# KiCad board klor1_3 (1).kicad_pcb
title: Klor Split Keyboard; date: 2022-07-08; rev: v1.3.0; note: Author: GEIST
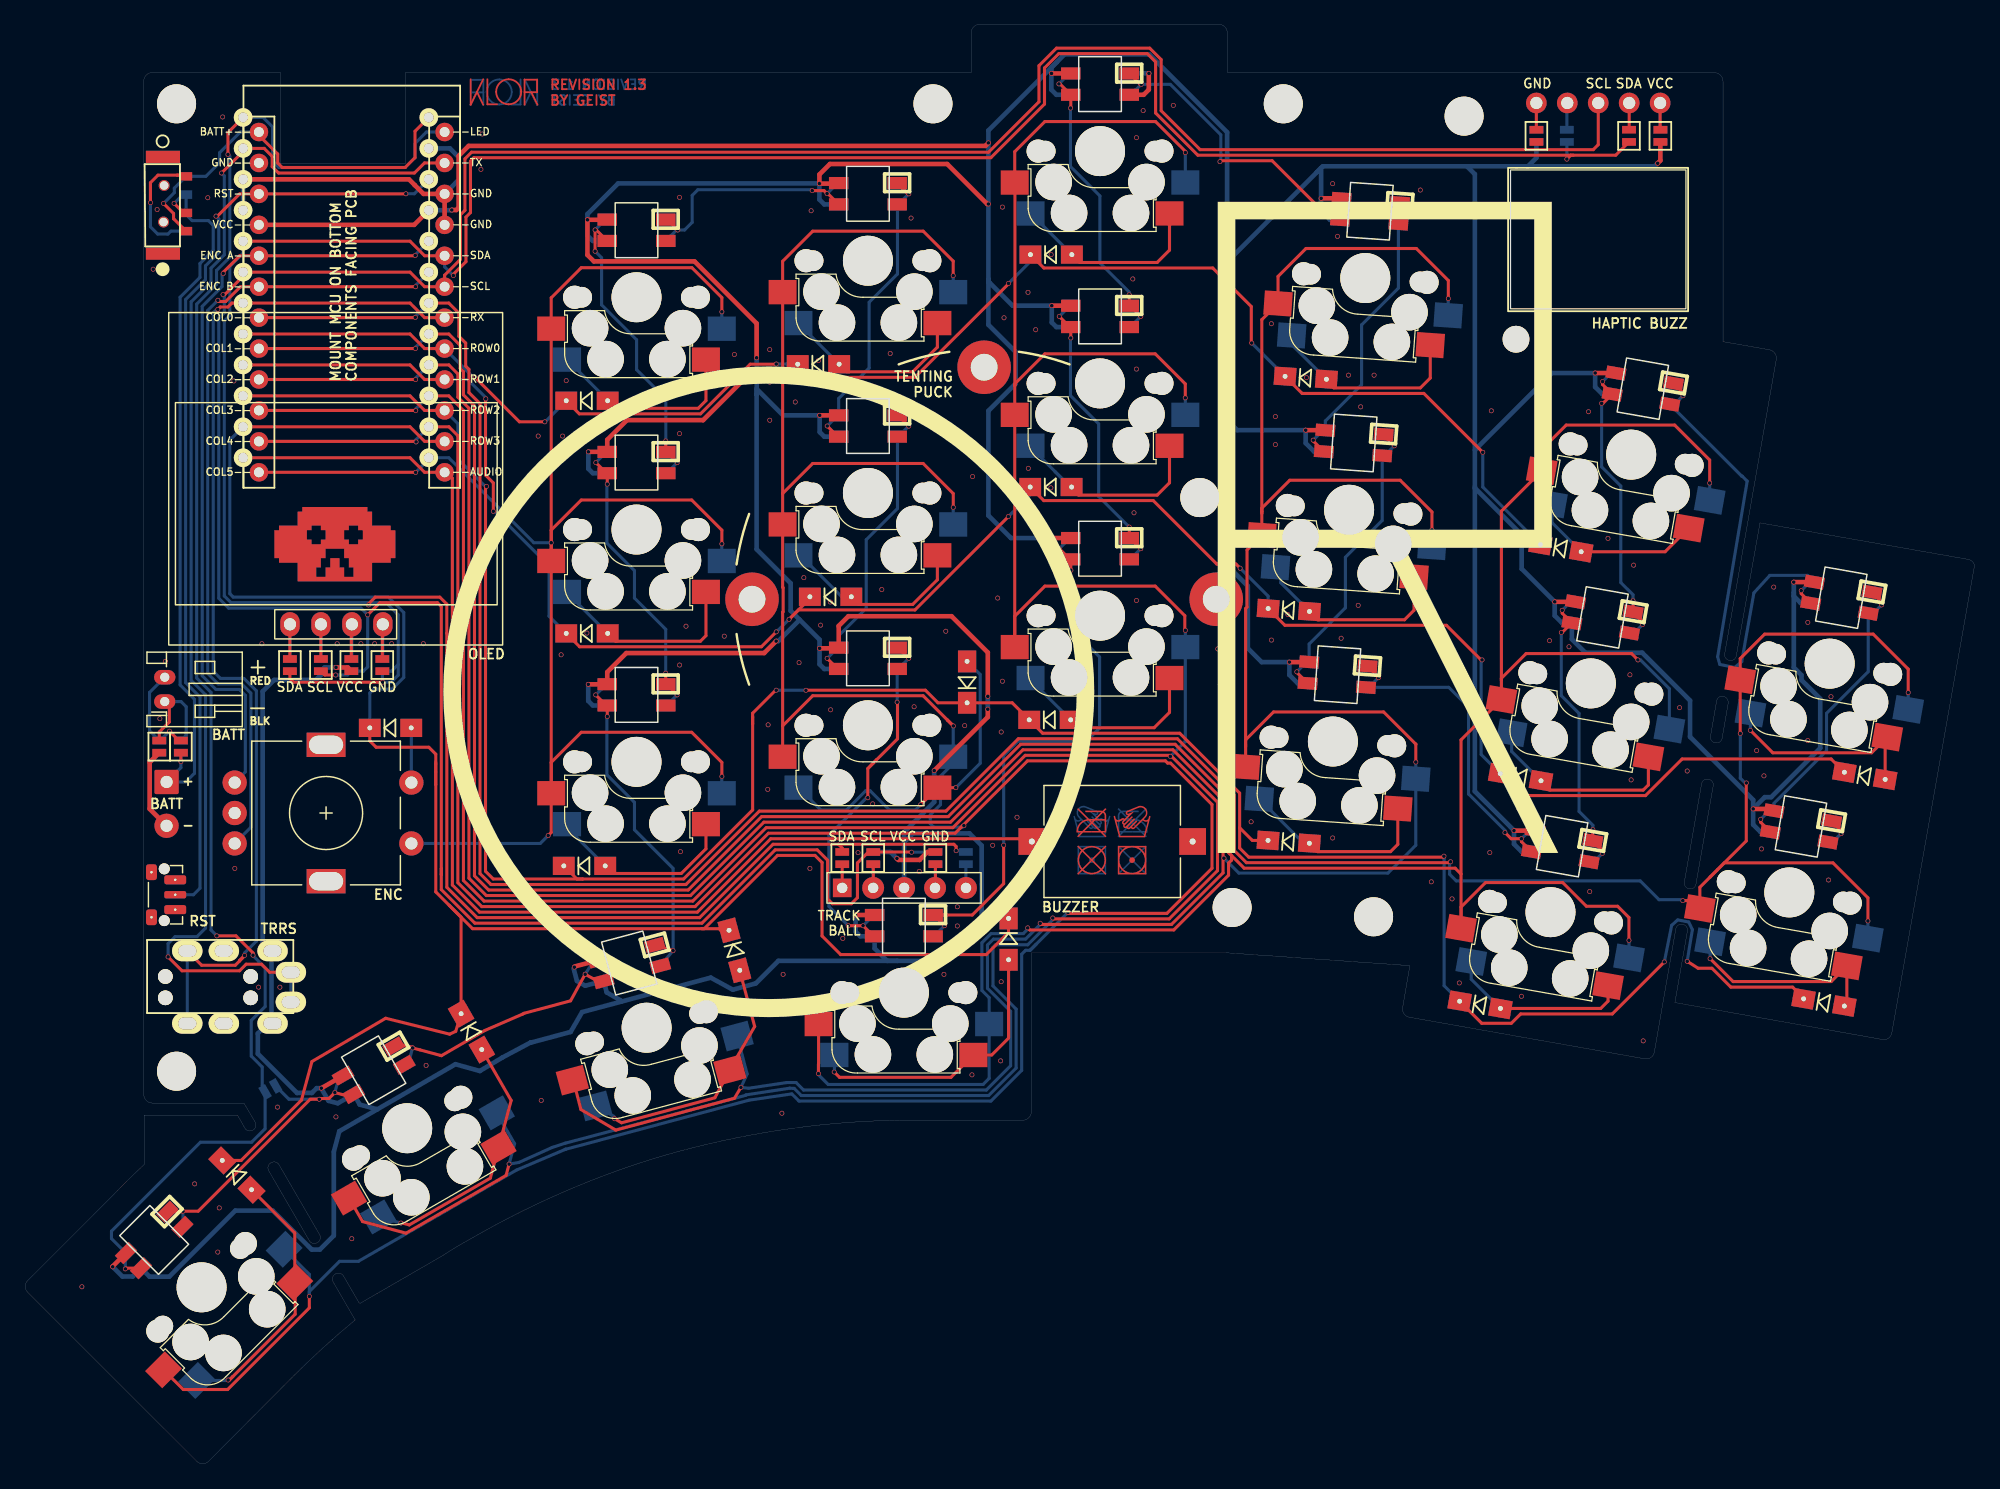
[diagram p0: board, top side]
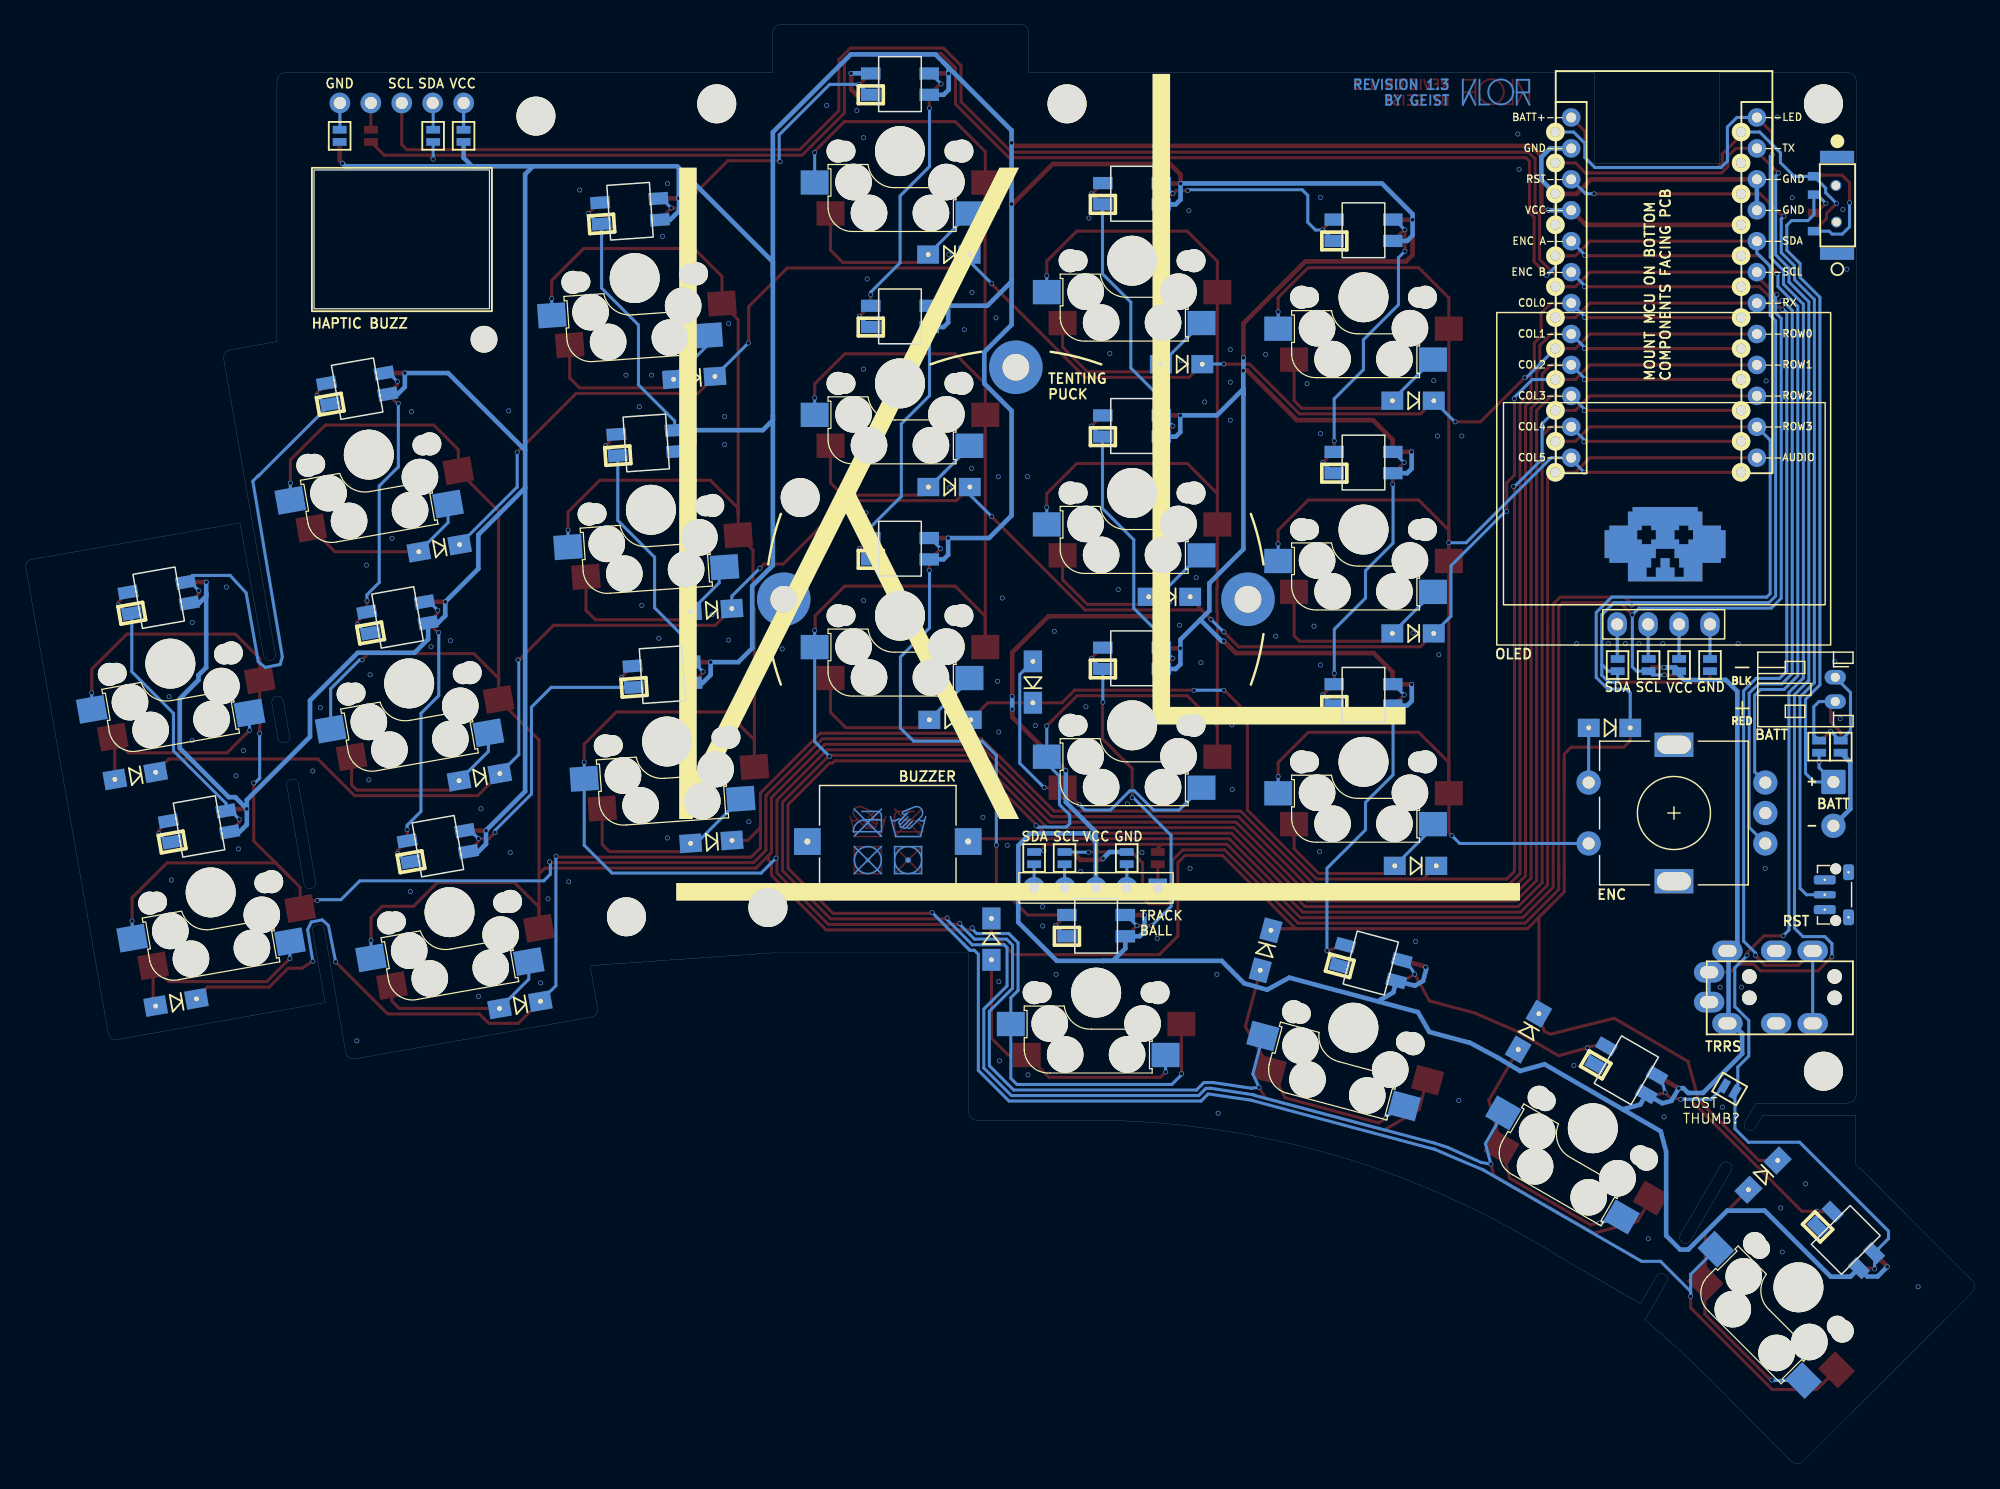
[diagram p1: board, bottom side, seen from below]

Outline 160.15 x 118.26 mm; copper layers: Top, Bottom. Coordinates in mm from the lower left corner of the outline.
Outline path: rectangle 121.97,106.3 136.37,94.9 ; 0.28,14.14 14.14,0.28 ; 7.16,22 0.28,15.13 ; 9.8,113.6 9.8,30.39 ; 9.84,24.65 9.84,28.7 17.49,28.7 18.09,27.64 ; 10.51,29.69 18.02,29.69 18.93,28.14 ; 10.54,114.31 21.01,114.31 21.01,106.83 31.27,106.83 31.27,114.31 77.71,114.31 77.71,117.59 ; 15.13,0.28 21.97,7.16 ; 20.91,24.61 24.22,18.9 ; 23.38,18.41 20.06,24.12 ; 27.15,11.88 25.35,14.98 ; 27.57,13.26 34.34,17.17 ; 72.14,28.28 81.94,28.28 ; 82.65,28.98 82.65,42.03 98.62,42.03 113.71,40.97 113.11,37.48 ; 98.05,118.26 78.38,118.26 ; 98.72,117.59 98.72,114.31 138.67,114.31 ; 113.64,36.74 133,33.32 ; 133.77,33.85 135.53,43.97 ; 152.49,34.91 135.46,37.94 136.49,43.79 ; 136.24,47.85 137.65,55.89 ; 138.39,59.83 138.88,62.69 ; 138.6,55.71 137.19,47.67 ; 139.41,113.57 139.41,92.2 143.26,91.53 ; 139.55,66.6 143.19,87.34 143.78,90.76 ; 139.84,62.51 139.34,59.66 ; 140.51,66.43 142.45,77.32 159.55,74.33 ; 153.27,35.47 160,73.55
Stack: Top 0.035mm / dielectric 1.51mm FR4 er 4.5 / Bottom 0.035mm

## Placement (name value [footprint] x y rotation side)
BT1  JST Connector  [JST_PH_reversible]  11.52 62.65 90 top
BT2  Battery_Cell  [custombatteryconnector_small]  11.67 54.25 270 top
BZ1  Buzzer  [Buzzer_Mallory_AST1109MLTRQ_reversible]  89.28 51.16 0 top
D1  D_Small  [Diode_SOD123]  46.17 87.35 0 top
D2  D_Small  [Diode_SOD123]  65.17 90.35 0 top
D3  D_Small  [Diode_SOD123]  84.27 99.35 0 top
D4  D_Small  [Diode_SOD123]  105.17 89.23 356 top
D5  D_Small  [Diode_SOD123]  126.1 75.25 350 top
D6  D_Small  [Diode_SOD123]  46.17 68.25 0 top
D7  D_Small  [Diode_SOD123]  66.17 71.26 0 top
D8  D_Small  [Diode_SOD123]  84.25 80.27 0 top
D9  D_Small  [Diode_SOD123]  103.78 70.17 356 top
D10  D_Small  [Diode_SOD123]  122.8 56.45 350 top
D11  D_Small  [Diode_SOD123]  151.05 56.56 350 top
D12  D_Small  [Diode_SOD123]  45.97 49.16 0 top
D13  D_Small  [Diode_SOD123]  77.37 64.25 90 top
D14  D_Small  [Diode_SOD123]  84.17 61.15 0 top
D15  D_Small  [Diode_SOD123]  103.77 51.13 356 top
D16  D_Small  [Diode_SOD123]  119.47 37.75 350 top
D17  D_Small  [Diode_SOD123]  147.7 37.95 350 top
D18  D_Small  [Diode_SOD123]  30.05 60.49 0 top
D19  D_Small  [Diode_SOD123]  17.44 23.78 315 top
D20  D_Small  [Diode_SOD123]  36.69 35.55 300 top
D21  D_Small  [Diode_SOD123]  58.27 42.23 285 top
D22  D_Small  [Diode_SOD123]  80.78 43.15 270 top
J1  -  [MJ-4PP-9]  10.07 40.08 90 top
J2  Haptic Buzz  [Pimoroni Haptic Buzz DRV2605L Driver]  129.17 101.4 0 bottom
J3  lv27  [lvc27_onlyInput]  67.12 47.35 90 top
JP1  Device_Jumper_NO_Small  [Jumper]  29.38 65.65 270 top
JP2  Device_Jumper_NO_Small  [Jumper]  26.83 65.65 270 top
JP3  Device_Jumper_NO_Small  [Jumper]  24.34 65.65 270 top
JP4  Device_Jumper_NO_Small  [Jumper]  21.79 65.65 270 top
JP5  Device_Jumper_NO_Small  [Jumper]  29.38 65.65 270 bottom
JP6  Device_Jumper_NO_Small  [Jumper]  26.84 65.65 270 bottom
JP7  Device_Jumper_NO_Small  [Jumper]  24.34 65.65 270 bottom
JP8  Device_Jumper_NO_Small  [Jumper]  21.8 65.65 270 bottom
JP12  VCC Jumper  [Jumper]  124.1 109.1 90 bottom
JP13  GND Jumper  [Jumper]  124.1 109.1 90 top
JP14  VCC Jumper  [Jumper]  134.27 109.1 90 top
JP15  GND Jumper  [Jumper]  134.27 109.1 90 bottom
JP16  Device_Jumper_NO_Small  [Jumper]  67.12 49.8 90 top
JP17  Device_Jumper_NO_Small  [Jumper]  69.67 49.8 90 top
JP18  Device_Jumper_NO_Small  [Jumper]  74.77 49.8 90 top
JP19  Device_Jumper_NO_Small  [Jumper]  69.67 49.8 90 bottom
JP20  Device_Jumper_NO_Small  [Jumper]  74.77 49.8 90 bottom
JP21  Device_Jumper_NO_Small  [Jumper]  77.27 49.8 90 bottom
JP22  Device_Jumper_NO_Small  [Jumper]  11.07 58.95 270 top
JP23  Device_Jumper_NO_Small  [Jumper]  12.85 58.95 270 bottom
JP24  Device_Jumper_NO_Small  [Jumper]  12.85 58.95 270 top
JP25  Device_Jumper_NO_Small  [Jumper]  11.07 58.95 270 bottom
JP26  Device_Jumper_NO_Small  [Jumper]  20.19 30.84 210 bottom
JP27  Device_Jumper_NO_Small  [Jumper]  126.6 109.1 90 bottom
JP28  Device_Jumper_NO_Small  [Jumper]  131.7 109.1 90 top
MH1  -  [MountingHole_3.2mm_M3]  12.49 111.73 0 top
MH2  -  [MountingHole_3.2mm_M3]  74.57 111.73 0 top
MH3  -  [MountingHole_3.2mm_M3]  103.32 111.73 0 top
MH4  -  [MountingHole_3.2mm_M3]  118.16 110.72 0 top
MH5  -  [MountingHole_3.2mm_M3]  96.47 79.4 0 top
MH6  -  [MountingHole_3.2mm_M3]  12.49 32.3 0 top
MH7  -  [MountingHole_3.2mm_M3]  99.12 45.74 0 top
MH8  -  [MountingHole_3.2mm_M3]  110.73 44.98 0 top
MH9  -  [MountingHole_2.2mm_M2]  122.42 92.4 0 top
OLED1  SSD1306  [SSD1306_128x64OLED]  25.8 79.6 180 top
PSW1  SW_DPDT_x2  [MSK12C02_reversible]  10.07 107.28 0 top
REF**  Tenting Puck  [SplitkbTentingPuckWithoutCenterHole]  78.77 71.05 270 top
RSW1  SW_Push  [SW_Push_1P1T-MP_NO_Horizontal_Alps_SKRTLAE010_both_sides]  11.48 46.79 270 top
SW1  SW_PUSH-MX_W_LED  [SK6812MINI_and_cherry]  50.24 95.85 180 top
SW2  SW_PUSH-MX_W_LED  [SK6812MINI_and_cherry]  69.23 98.85 180 top
SW3  SW_PUSH-MX_W_LED  [SK6812MINI_and_cherry]  88.28 107.85 180 top
SW4  SW_PUSH-MX_W_LED  [SK6812MINI_and_cherry]  110.05 97.43 176 top
SW5  SW_PUSH-MX_W_LED  [SK6812MINI_and_cherry]  131.88 82.93 170 top
SW6  SW_PUSH-MX_W_LED  [SK6812MINI_and_cherry]  50.24 76.78 180 top
SW7  SW_PUSH-MX_W_LED  [SK6812MINI_and_cherry]  69.23 79.78 180 top
SW8  SW_PUSH-MX_W_LED  [SK6812MINI_and_cherry]  88.28 88.78 180 top
SW9  SW_PUSH-MX_W_LED  [SK6812MINI_and_cherry]  108.72 78.4 176 top
SW10  SW_PUSH-MX_W_LED  [SK6812MINI_and_cherry]  128.56 64.15 170 top
SW11  SW_PUSH-MX_W_LED  [SK6812MINI_and_cherry]  148.17 65.77 170 top
SW12  SW_PUSH-MX_W_LED  [SK6812MINI_and_cherry]  50.24 57.71 180 top
SW13  SW_PUSH-MX_W_LED  [SK6812MINI_and_cherry]  69.23 60.71 180 top
SW14  SW_PUSH-MX_W_LED  [SK6812MINI_and_cherry]  88.28 69.71 180 top
SW15  SW_PUSH-MX_W_LED  [SK6812MINI_and_cherry]  107.39 59.37 176 top
SW16  SW_PUSH-MX_W_LED  [SK6812MINI_and_cherry]  125.25 45.36 170 top
SW17  SW_PUSH-MX_W_LED  [SK6812MINI_and_cherry]  144.85 46.98 170 top
SW18  RotaryEncoder_Switch  [RotaryEncoder_Alps_EC11E-Switch_Vertical_H20mm-keebio_modified]  24.76 53.5 0 top
SW19  SW_PUSH-MX_W_LED  [SK6812MINI_and_cherry]  14.54 14.56 225 top
SW20  SW_PUSH-MX_W_LED  [SK6812MINI_and_cherry]  31.42 27.62 210 top
SW21  SW_PUSH-MX_W_LED  [SK6812MINI_and_cherry]  51.07 35.87 195 top
SW22  SW_PUSH-MX_W_LED  [SK6812MINI_and_cherry]  72.18 38.76 180 top
U1  -  [ProMicro]  26.77 95.84 0 top

## Footprints (pads in the part's own frame, mm; a bottom-side part is the same pattern mirrored in y, then rotated)
Buzzer_Mallory_AST1109MLTRQ_reversible
  rect 2.2x2.2 hole 0.5: 1(-6.6,0) 2(6.6,0)
custombatteryconnector_small
  rrect 2x2 hole 1: 1(-1.8,0)
  round 2 hole 1: 2(1.8,0)
Diode_SOD123
  rect 1.8x1.5 hole 0.4: 1(-1.7,0) 2(1.7,0)
JST_PH_reversible
  oval 1.2x1.75 hole 0.75: 1(0,0) 2(2,0)
Jumper
  rect 0.635x1.143 smd: 1(-0.5,0) 2(0.5,0)
lvc27_onlyInput
  rect 1.524x1.524 hole 0.85: 1(0,0)
  round 1.8 hole 0.85: 2(0,-2.54) 3(0,-5.08) 4(0,-7.62) 5(0,-10.16)
MJ-4PP-9
  round 1.2 hole 1.2 unplated: (-1.75,-1.5) (-1.75,-8.5) (0,-1.5) (0,-8.5)
  oval 1.7x2.5 hole 1x1.5: 1(-3.85,-10.3) 1(2.1,-10.3) 2(-3.85,-6.3) 2(2.1,-6.3) 3(-3.85,-3.3) 3(2.1,-3.3) 4(-2.1,-11.8) 4(0.35,-11.8)
MountingHole_2.2mm_M2
  round 2.2 hole 2.2 unplated: (0,0)
MountingHole_3.2mm_M3
  round 3.2 hole 3.2 unplated: (0,0)
MSK12C02_reversible
  round 0.9 hole 0.7 unplated: (1.35,-5.25) (1.4,-2.25)
  rect 1x0.7 smd: 1(3.2,-1.5) 2(3.2,-4.5) 3(3.2,-6)
  rect 1x0.7 smd far side: 1(3.2,-6) 2(3.2,-3) 3(3.2,-1.5)
  rect 2.8x1 smd: NC(1.3,0.1) NC(1.3,-7.85)
  rect 2.8x1 smd far side: NC(1.3,0.1) NC(1.3,-7.85)
Pimoroni Haptic Buzz DRV2605L Driver
  round 1.7 hole 1: 1(-5.08,-10.4)
  oval 1.7x1.7 hole 1: 2(-2.54,-10.4) 3(0,-10.4) 4(2.54,-10.4) 5(5.08,-10.4)
ProMicro
  round 1.524 hole 0.813: 1(-8.82,14.77) 1(7.719,13.574) 2(-8.82,12.23) 2(7.719,11.034) 3(-8.82,9.69) 3(7.719,8.494) 4(-8.82,7.15) 4(7.719,5.954) 5(-8.82,4.61) 5(7.719,3.414) 6(-8.82,2.07) 6(7.719,0.874) 7(-8.82,-0.47) 7(7.719,-1.666) 8(-8.82,-3.01) 8(7.719,-4.206) 9(-8.82,-5.55) 9(7.719,-6.746) 10(-8.82,-8.09) 10(7.719,-9.286) 11(-8.82,-10.63) 11(7.719,-11.826) 12(-8.82,-13.17) 12(7.719,-14.366) 13(-7.521,-14.366) 13(6.42,-13.17) 14(-7.521,-11.826) 14(6.42,-10.63) 15(-7.521,-9.286) 15(6.42,-8.09) 16(-7.521,-6.746) 16(6.42,-5.55) 17(-7.521,-4.206) 17(6.42,-3.01) 18(-7.521,-1.666) 18(6.42,-0.47) 19(-7.521,0.874) 19(6.42,2.07) 20(-7.521,3.414) 20(6.42,4.61) 21(-7.521,5.954) 21(6.42,7.15) 22(-7.521,8.494) 22(6.42,9.69) 23(-7.521,11.034) 23(6.42,12.23) 24(-7.521,13.574) 24(6.42,14.77)
RotaryEncoder_Alps_EC11E-Switch_Vertical_H20mm-keebio_modified
  round 2 hole 1: A(-7.5,2.5) B(-7.5,-2.5) C(-7.5,0) S1(7,-2.5) S2(7,2.5)
  rect 3.2x2 hole 2.8x1.5: MP(0,5.6) MP(0,-5.6)
SK6812MINI_and_cherry
  round 1.9 hole 1.9 unplated: (-5.08,0) (5.08,0)
  round 1.7 hole 1.7 unplated: (-4.5,0) (4.5,0)
  round 3 hole 3 unplated: (-3.81,2.54) (-2.54,5.08) (2.54,5.08) (3.81,2.54)
  round 4.1 hole 4.1 unplated: (0,0)
  rect 1.6x1 smd far side: 1(-2.4,-4.625) 2(-2.4,-6.375) 3(2.4,-6.375) 4(2.4,-4.625)
  rect 1.6x1 smd: 1(-2.4,-6.375) 2(-2.4,-4.625) 3(2.4,-4.625) 4(2.4,-6.375)
  rect 2.3x2 smd far side: 5(-7,2.58) 6(5.7,5.12)
  rect 2.3x2 smd: 5(7,2.58) 6(-5.7,5.12)
SplitkbTentingPuckWithoutCenterHole
  round 4.4 hole 2.2: 1(-19.05,0) 1(0,19.05) 1(0,-19.05)
SSD1306_128x64OLED
  oval 1.6x2 hole 1: 1(-3.62,10.6) 2(-1.08,10.6) 3(1.46,10.6) 4(4,10.6)
SW_Push_1P1T-MP_NO_Horizontal_Alps_SKRTLAE010_both_sides
  round 0.9 hole 0.9 unplated: (-2.125,0) (2.125,0)
  rrect 0.75x1.8 hole 0.2: 1(-1.225,0.9) 1(1.225,0.9)
  rrect 0.6x1.8 hole 0.2: 2(0,0.9)
  rrect 1.3x0.9 hole 0.2: MP(-1.85,-1.05) MP(1.85,-1.05)

## Nets
GND: BT2.2 BZ1.2 J1.2 JP1.2 JP8.2 JP13.1 JP15.1 JP18.2 JP19.2 JP22.2 JP25.2 RSW1.1 SW1.2 SW2.2 SW3.2 SW4.2 SW5.2 SW6.2 SW7.2 SW8.2 SW9.2 SW10.2 SW11.2 SW12.2 SW13.2 SW14.2 SW15.2 SW16.2 SW17.2 SW18.C SW19.2 SW20.2 SW21.2 SW22.2 U1.3 U1.4 U1.23
VCC: J1.1 J3.3 JP2.2 JP7.2 JP12.1 JP14.1 SW1.4 SW2.4 SW3.4 SW4.4 SW5.4 SW6.4 SW7.4 SW8.4 SW9.4 SW10.4 SW11.4 SW12.4 SW13.4 SW14.4 SW15.4 SW16.4 SW17.4 SW19.4 SW20.4 SW21.4 SW22.4 U1.21
+BATT: PSW1.3 U1.24
/PAD1: BT1.1 JP22.1 JP23.1
/PAD2: BT1.2 JP24.1 JP25.1
/PSW: BT2.1 JP23.2 JP24.2 PSW1.2
AUDIO: BZ1.1 U1.12
col0: SW11.5 SW17.5 U1.18
col1: SW5.5 SW10.5 SW16.5 SW22.5 U1.17
col2: SW4.5 SW9.5 SW15.5 SW21.5 U1.16
col3: SW3.5 SW8.5 SW14.5 SW20.5 U1.15
col4: SW2.5 SW7.5 SW13.5 SW19.5 U1.14
col5: SW1.5 SW6.5 SW12.5 SW18.S1 U1.13
ENCA: SW18.A U1.20
ENCB: SW18.B U1.19
LED: JP26.2 SW19.3 U1.1
RESET: RSW1.2 U1.22
row0: D1.1 D2.1 D3.1 D4.1 D5.1 U1.8
row1: D6.1 D7.1 D8.1 D9.1 D10.1 D11.1 U1.9
row2: D12.1 D13.1 D14.1 D15.1 D16.1 D17.1 U1.10
row3: D18.1 D19.1 D20.1 D21.1 D22.1 U1.11
RX: J1.3 U1.7
SCL: J2.3 JP3.2 JP6.2 JP17.2 JP20.2 U1.6
SDA: JP4.2 JP5.2 JP16.2 JP21.2 JP27.1 JP28.1 U1.5
SW18B: D18.2 SW18.S2
TX: J1.4 U1.2
Net-(D1-Pad2): D1.2 SW1.6
Net-(D2-Pad2): D2.2 SW2.6
Net-(D3-Pad2): D3.2 SW3.6
Net-(D4-Pad2): D4.2 SW4.6
Net-(D5-Pad2): D5.2 SW5.6
Net-(D6-Pad2): D6.2 SW6.6
Net-(D7-Pad2): D7.2 SW7.6
Net-(D8-Pad2): D8.2 SW8.6
Net-(D9-Pad2): D9.2 SW9.6
Net-(D10-Pad2): D10.2 SW10.6
Net-(D11-Pad2): D11.2 SW11.6
Net-(D12-Pad2): D12.2 SW12.6
Net-(D13-Pad2): D13.2 SW13.6
Net-(D14-Pad2): D14.2 SW14.6
Net-(D15-Pad2): D15.2 SW15.6
Net-(D16-Pad2): D16.2 SW16.6
Net-(D17-Pad2): D17.2 SW17.6
Net-(D19-Pad2): D19.2 SW19.6
Net-(D20-Pad2): D20.2 SW20.6
Net-(D21-Pad2): D21.2 SW21.6
Net-(D22-Pad2): D22.2 SW22.6
Net-(J2-Pad1): J2.1 JP12.2 JP13.2
Net-(J2-Pad2): J2.2 JP27.2
Net-(J2-Pad4): J2.4 JP28.2
Net-(J2-Pad5): J2.5 JP14.2 JP15.2
Net-(J3-Pad1): J3.1 JP16.1
Net-(J3-Pad2): J3.2 JP17.1 JP19.1
Net-(J3-Pad4): J3.4 JP18.1 JP20.1
Net-(J3-Pad5): J3.5 JP21.1
Net-(JP1-Pad1): JP1.1 JP5.1 OLED1.1
Net-(JP2-Pad1): JP2.1 JP6.1 OLED1.2
Net-(JP3-Pad1): JP3.1 JP7.1 OLED1.3
Net-(JP4-Pad1): JP4.1 JP8.1 OLED1.4
Net-(JP26-Pad1): JP26.1 SW19.1 SW20.3
Net-(SW1-Pad1): SW1.1 SW2.3
Net-(SW1-Pad3): SW1.3 SW6.1
Net-(SW2-Pad1): SW2.1 SW7.3
Net-(SW3-Pad1): SW3.1 SW4.3
Net-(SW3-Pad3): SW3.3 SW8.1
Net-(SW4-Pad1): SW4.1 SW9.3
Net-(SW10-Pad1): SW5.3 SW10.1
Net-(SW10-Pad3): SW10.3 SW16.1
Net-(SW11-Pad1): SW11.1 SW17.3
Net-(SW11-Pad3): SW5.1 SW11.3
Net-(SW12-Pad1): SW6.3 SW12.1
Net-(SW12-Pad3): SW12.3 SW21.1
Net-(SW13-Pad1): SW13.1 SW22.3
Net-(SW13-Pad3): SW7.1 SW13.3
Net-(SW14-Pad1): SW8.3 SW14.1
Net-(SW14-Pad3): SW14.3 SW22.1
Net-(SW15-Pad1): SW15.1 SW16.3
Net-(SW15-Pad3): SW9.1 SW15.3
Net-(SW20-Pad1): SW20.1 SW21.3

Pads without a net: PSW1 1 NC; REF** 1; RSW1 MP; SW17 1; SW18 MP

## Via types
v1: diameter 0.4, hole 0.3, Top to Bottom, 329 vias

## Routing (per net, layer and track width the routed paths; a pad name or vN(x,y) marks a point on that pad's centre or on a via; arc(x,y) is an arc through that point)
GND: length 52.5
  Top w0.381: JP22.2 10.28,57.66 10.28,53.84 BT2.2 ; U1.3 31.57,105.53 32.04,105.06 32.04,105.06 32.76,104.34 U1.3 U1.4 ; SW3.2 91.86,112.48 92.29,112.9 92.29,114.22 v1(92.3,114.24) ; JP18.2 74.12,50.3 73.47,49.65 71.74,49.65 v1(71.61,49.78)
  Bottom w0.381: JP19.2 71.08,50.3 v1(71.61,49.78) ; U1.4 U1.3 ; JP22.2 10.28,57.66 10.28,53.84 BT2.2 ; U1.23 34.92,108.07 35.64,107.35 35.64,105.49 U1.3 ; v1(92.3,114.24) 90.69,114.24
  vias: v1(4.72,14.6) v1(10.57,98.15) v1(10.9,103.05) v1(11.12,61.25) v1(11.57,65.95) v1(13.97,23.05) v1(15.05,104.02) v1(15.87,17.45) v1(16,21.08) v1(16.27,110.65) v1(17.2,88.98) v1(17.27,48.95) v1(19.22,39.2) v1(19.5,67.4) v1(20.77,29.35) v1(20.97,39.2) v1(25.57,28.55) v1(25.67,67.4) v1(26.87,18.55) v1(27.62,67.4) v1(28.75,67.4) v1(30.15,67.4) v1(32.75,67.4) v1(32.97,32.78) v1(37.47,106.35) v1(37.57,109.25) v1(42.17,84.45) v1(42.42,29.9) v1(44.05,66.49) v1(44.17,84.45) v1(44.47,89) v1(45.97,42.95) v1(46.17,68.28) v1(53.77,104.05) v1(53.77,84.65) v1(53.77,65.65) v1(53.85,50.33) v1(54.3,68.84) v1(54.87,88.75) v1(57.44,68.02) v1(58.27,91.15) v1(61.01,55.44) v1(61.04,60.74) v1(61.17,91.55) v1(61.17,88.88) v1(61.17,85.75) v1(62.17,28.85) v1(62.27,40.25) v1(63.27,87.25) v1(63.58,65.85) v1(63.97,72.83) v1(64.47,48.95) v1(64.57,102.95) v1(65.17,90.65) v1(65.35,68.93) v1(66.15,70.83) v1(66.17,61.98) v1(67.17,43.2) v1(68.42,50.25) v1(69.62,54.25) v1(70.37,71.85) v1(71.06,91.23) v1(72.77,102.35) v1(73.02,62.23) v1(73.45,48.7) v1(75.47,40.25) v1(75.62,68.43) v1(76.57,45.8) v1(76.57,44.23) v1(77.17,60.68) v1(77.77,32) v1(77.82,81.13) v1(79.47,50.85) v1(79.88,71.15) v1(80.12,33.15) v1(80.21,81.11) v1(80.17,60.15) v1(80.17,39.65) v1(80.27,103.25) v1(80.27,64.32) v1(80.4,94.16) v1(81.47,53.15) v1(82.37,96.25) v1(82.4,81.8) v1(83,93.18) v1(84.27,99.35) v1(84.25,80.2) v1(90.97,97.35) v1(91.07,78.15) v1(91.27,108.95) v1(91.27,89.95) v1(91.27,70.95) v1(91.82,111.18) v1(94.3,111.6) v1(97.95,66.98) v1(100.68,52.78) v1(102.35,93.68) v1(102.35,67.7) v1(102.67,86.05) v1(102.67,83.75) v1(103.7,69.8) v1(105.22,89.25) v1(107.37,105.18) v1(107.37,51.45) v1(107.77,100.85) v1(108.07,67.85) v1(108.67,89.45) v1(109.47,70.55) v1(109.67,86.85) v1(110.77,89.45) v1(114.57,104.65) v1(115.47,47.85) v1(117.17,46.45) v1(117.77,39.55) v1(120.27,50.25) v1(120.4,86.53) v1(122.67,53.85) v1(122.87,38.45) v1(125.17,67.65) v1(126.77,67.15) v1(128.37,86.45) v1(128.47,47.05) v1(129.97,76.05) v1(131.77,64.85) v1(131.87,56.22) v1(132.07,73.85) v1(132.86,34.79) v1(135.85,62.15) v1(136.47,56.95) v1(142.17,58.63) v1(142.57,50.55) v1(142.77,56.55) v1(143.57,72.05) v1(146.37,69.15) v1(146.37,59.45) v1(148.07,48) v1(148.27,63.05)
VCC: length 780.6
  Top w0.381: v1(65.27,86.16) 65.28,86.15 SW7.4 ; v1(79.12,108.53) 78.87,108.28 36.46,108.28 35.64,107.46 35.64,103.21 35.45,103.02 v1(35.08,103.02) ; v1(84.33,76.08) SW14.4 ; v1(79.12,103.51) 79.02,103.51 75.74,106.79 66.11,106.79 65.25,105.93 v1(65.25,105.18) 66.79,105.18 ; v1(68.22,45.13) 69.78,45.13 ; SW19.4 7.25,16.28 v1(7.25,16.24) ; v1(61.7,67.62) 60.72,66.64 49.4,66.64 47.84,65.07 SW12.4 ; v1(106.43,103.97) 108.08,103.97 ; v1(103.82,65.89) 105.44,65.89 ; v1(128.92,89.63) 130.61,89.63 ; 26.15,31.94 v1(24.37,30.91) ; v1(145.22,72.46) 146.91,72.46 ; v1(105.16,84.94) 106.76,84.94 ; U1.21 32,101.8 U1.21 ; 26.83,65.16 26.54,65.45 25.59,65.45 v1(25.58,65.47) ; v1(84.32,95.16) 85.87,95.16 ; SW6.4 47.84,84.15 49.45,85.76 55.71,85.76 59.77,89.83 v1(60.11,89.83) ; JP14.1 134.27,107.08 v1(134.05,106.85) ; v1(141.89,53.84) 143.44,53.84 ; v1(79.07,62.03) 79.07,61.39 v1(74.67,56.99) ; SW21.4 45.17,40.91 ; v1(60.1,90.88) 60.1,93.7 55,98.79 46.74,98.79 46.21,99.32 v1(46.21,102.21) 47.83,102.21 ; v1(46.29,83.16) 47.83,83.16 ; v1(46.28,64.07) 47.83,64.07 ; v1(122.26,52.06) 123.99,52.06 ; v1(125.6,70.84) 127.3,70.84 ; v1(65.26,67.03) 66.78,67.03 ; v1(84.3,114.23) 85.88,114.23 ; SW13.4 66.83,68.86 67.63,69.66 76.09,69.66 79.07,66.68 v1(79.07,63.08)
  Bottom w0.381: 84.74,115.16 85.37,115.79 92.32,115.79 98.71,109.4 98.71,97.59 ; 84.74,115.16 79.12,109.54 v1(79.12,108.53) v1(79.12,103.51) 79.12,97.33 ; 84.74,115.16 84.3,114.72 v1(84.3,114.23) 84.28,114.22 84.28,112.89 84.7,112.48 SW3.4 ; 106.08,106.12 106.56,106.6 118.4,106.6 ; 106.08,106.12 98.71,98.76 98.71,97.59 ; 106.08,106.12 106.43,106.47 v1(106.43,103.97) 106.42,103.96 106.42,102.95 107.15,102.21 SW4.4 ; 79.12,97.33 79.12,93.59 81.36,91.35 81.36,88.77 79.12,86.53 79.12,77.93 80.97,76.08 v1(84.33,76.08) 84.33,74.71 84.7,74.33 SW14.4 ; 79.12,97.33 79.12,97.05 79.21,97.05 81.11,95.16 v1(84.32,95.16) 84.32,93.78 84.7,93.4 SW8.4 ; 118.4,106.6 119.04,105.95 119.04,80.19 122.89,76.35 122.89,73.55 v1(125.6,70.84) 125.6,69.71 126.19,69.12 SW10.4 127,67.78 128.12,66.66 132.78,66.66 136.71,62.74 136.71,59.76 141.89,54.57 v1(141.89,53.84) ; 118.4,106.6 122.45,106.6 ; 122.45,106.6 123.4,106.6 124.1,107.3 JP12.1 ; 122.45,106.6 133.8,106.6 v1(134.05,106.85) ; 45.08,40.74 45.35,39.71 46.03,39.32 SW21.4 ; v1(74.67,56.99) 74.67,54.4 72.2,51.93 72.2,51.1 ; SW7.4 65.65,84.4 65.27,84.78 v1(65.27,86.16) 62.27,86.16 60.1,88.33 60.1,87.85 ; 28.93,29.15 28.91,29.19 27.52,29.56 27.03,30.42 25.72,29.67 24.96,29.87 24.37,30.9 ; 28.93,29.15 35.38,32.88 37.38,32.32 39.24,33.43 41.55,34.66 41.54,34.64 44.83,35.53 45.77,37.16 48.97,38.01 ; 28.93,29.15 25.85,27.37 25.4,25.68 25.4,18.8 24.25,17.66 23.59,17.66 20.38,20.86 17.32,20.86 11.89,15.43 10.28,15.43 SW19.4 8.89,15.45 8.05,15.45 v1(7.25,16.24) ; SW16.4 122.88,50.33 122.26,50.96 v1(122.26,52.06) 122.26,52.07 119.04,55.28 119.04,80.3 ; 71.63,41.37 61.88,41.37 60.03,39.51 58.14,38.99 56.33,39.99 48.97,38.01 ; 71.63,41.37 75.41,41.37 78.57,44.53 78.57,47.63 78.57,47.64 78.57,50.83 77.57,51.83 72.93,51.83 72.2,51.1 ; 71.63,41.37 70.8,41.37 69.78,42.39 SW22.4 68.6,43.38 68.22,43.76 v1(68.22,45.13) ; 145.22,71.6 145.22,71.31 145.79,70.74 SW11.4 ; 145.22,71.6 145.22,65.45 145.85,64.82 145.85,64.42 147.39,62.88 147.39,58.83 143.37,54.8 142.84,54.8 141.89,53.85 v1(141.89,53.84) ; 145.22,71.6 v1(145.22,72.46) ; v1(46.28,64.07) 46.28,62.71 46.66,62.33 SW12.4 ; v1(60.1,90.88) 60.1,89.84 v1(60.11,89.83) 60.11,87.86 60.1,87.85 ; SW5.4 129.5,87.9 128.92,88.48 v1(128.92,89.63) 125.37,89.63 119.04,83.3 ; 60.1,87.85 60.1,75.16 62.89,72.37 62.89,70.11 63.63,69.37 ; J3.3 72.2,51.1 ; 45.13,40.76 v1(45.14,40.84) ; U1.21 35.06,102.99 v1(35.08,103.02) ; 48.97,38.01 48.94,38.11 47.79,38.77 47.54,39.73 ; v1(24.37,30.91) 23.99,30.91 23.6,30.52 22.38,30.52 19.16,33.74 19.16,35.4 19.98,36.23 ; 98.71,86.09 98.71,85.76 99.54,84.94 v1(105.16,84.94) 105.16,83.87 105.85,83.18 SW9.4 ; 98.71,86.09 98.71,73.84 100.41,72.14 100.41,67.03 101.55,65.89 v1(103.82,65.89) 103.82,64.84 104.51,64.16 SW15.4 ; 98.71,86.09 98.71,97.59 ; SW13.4 65.65,65.33 65.26,65.72 v1(65.26,67.03) 65.26,67.74 63.63,69.37 ; SW6.4 46.66,81.4 46.29,81.77 v1(46.29,83.16) ; SW17.4 142.48,51.96 141.89,52.55 v1(141.89,53.84) ; 24.34,65.15 24.64,65.45 25.56,65.45 v1(25.58,65.47) ; SW1.4 46.66,100.48 46.21,100.92 v1(46.21,102.21) 46.21,102.68 48.73,105.2 65.24,105.2 v1(65.25,105.18) 65.25,103.88 65.65,103.48 SW2.4 ; 63.63,69.37 61.88,67.62 v1(61.7,67.62) ; 20.28,36.32 20.28,42.09 ; 20.24,42.18 19.56,42.86 19.56,63.49 20.5,64.43 23.92,64.43 24.34,64.84 JP7.2 ; v1(79.07,62.03) v1(79.07,63.08)